# Altium PCB EEar04.PcbDoc (part 1 of 2)
Units mm, origin at the board's own origin, x right, y up, seen from the top; angles counter-clockwise.
Board outline 160 x 100 mm, 2 copper layers (Top Layer, Bottom Layer); 126 components, 103 nets, 694 pads, 350 vias.
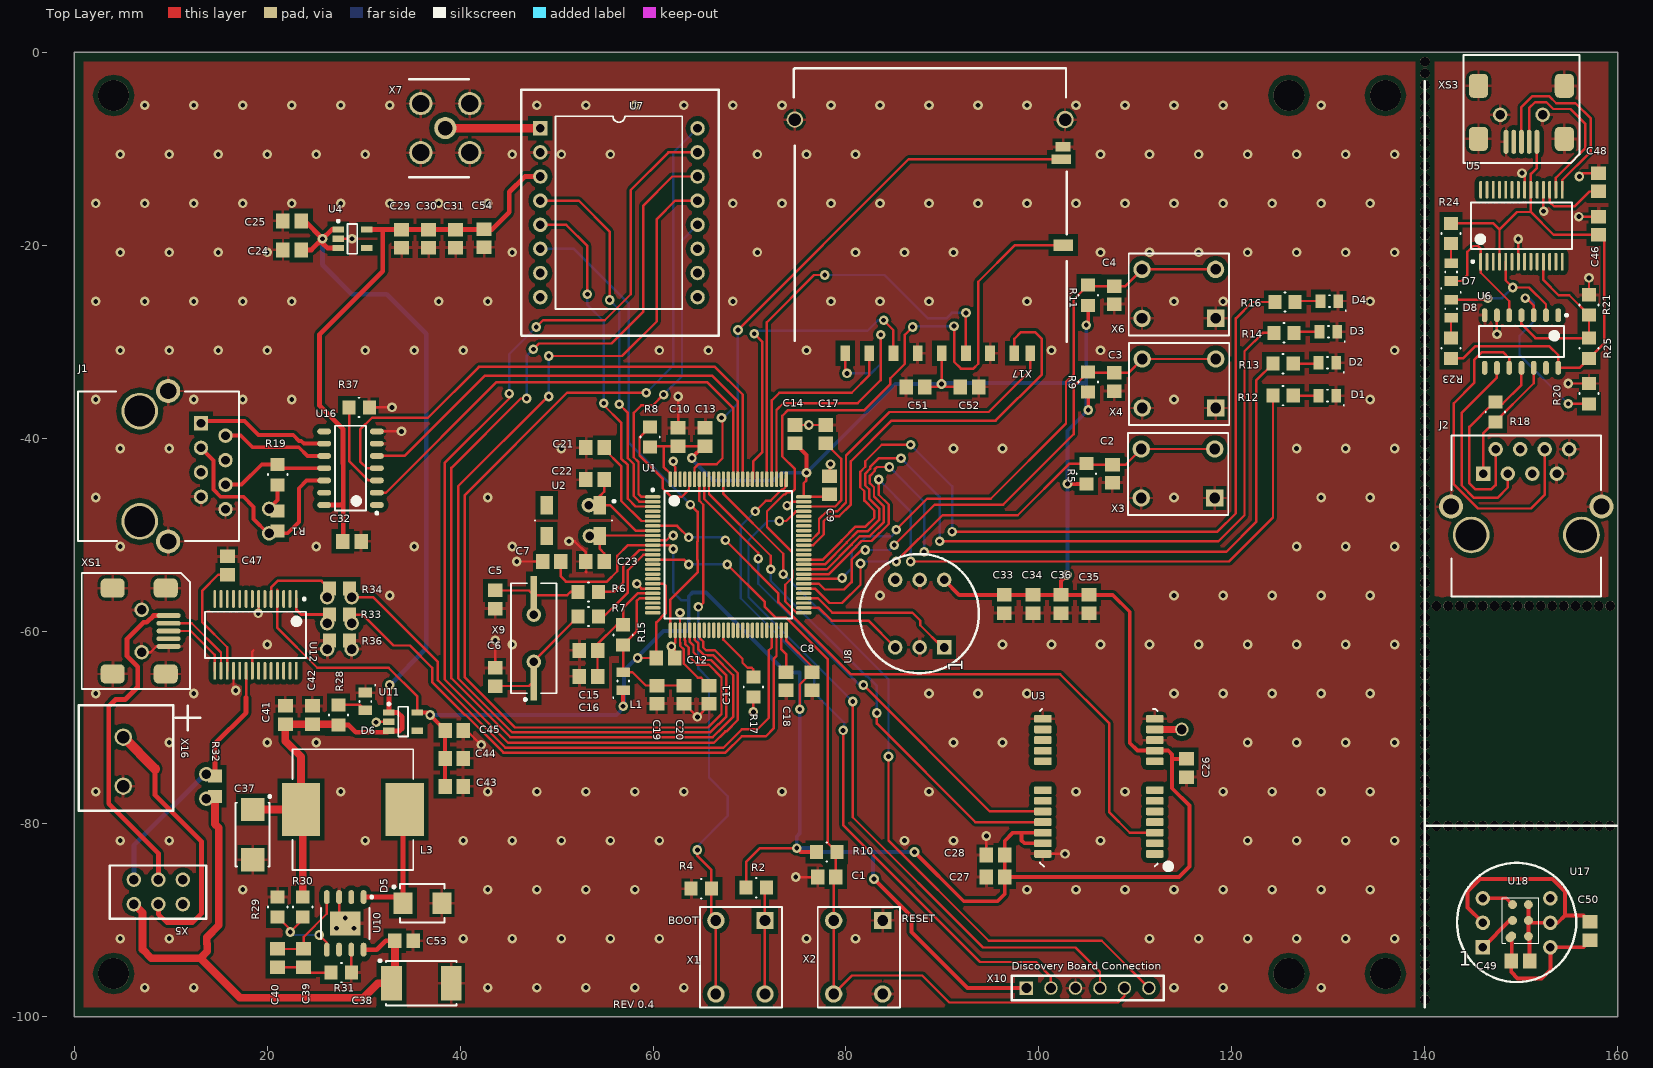
[diagram p0: Top Layer view]
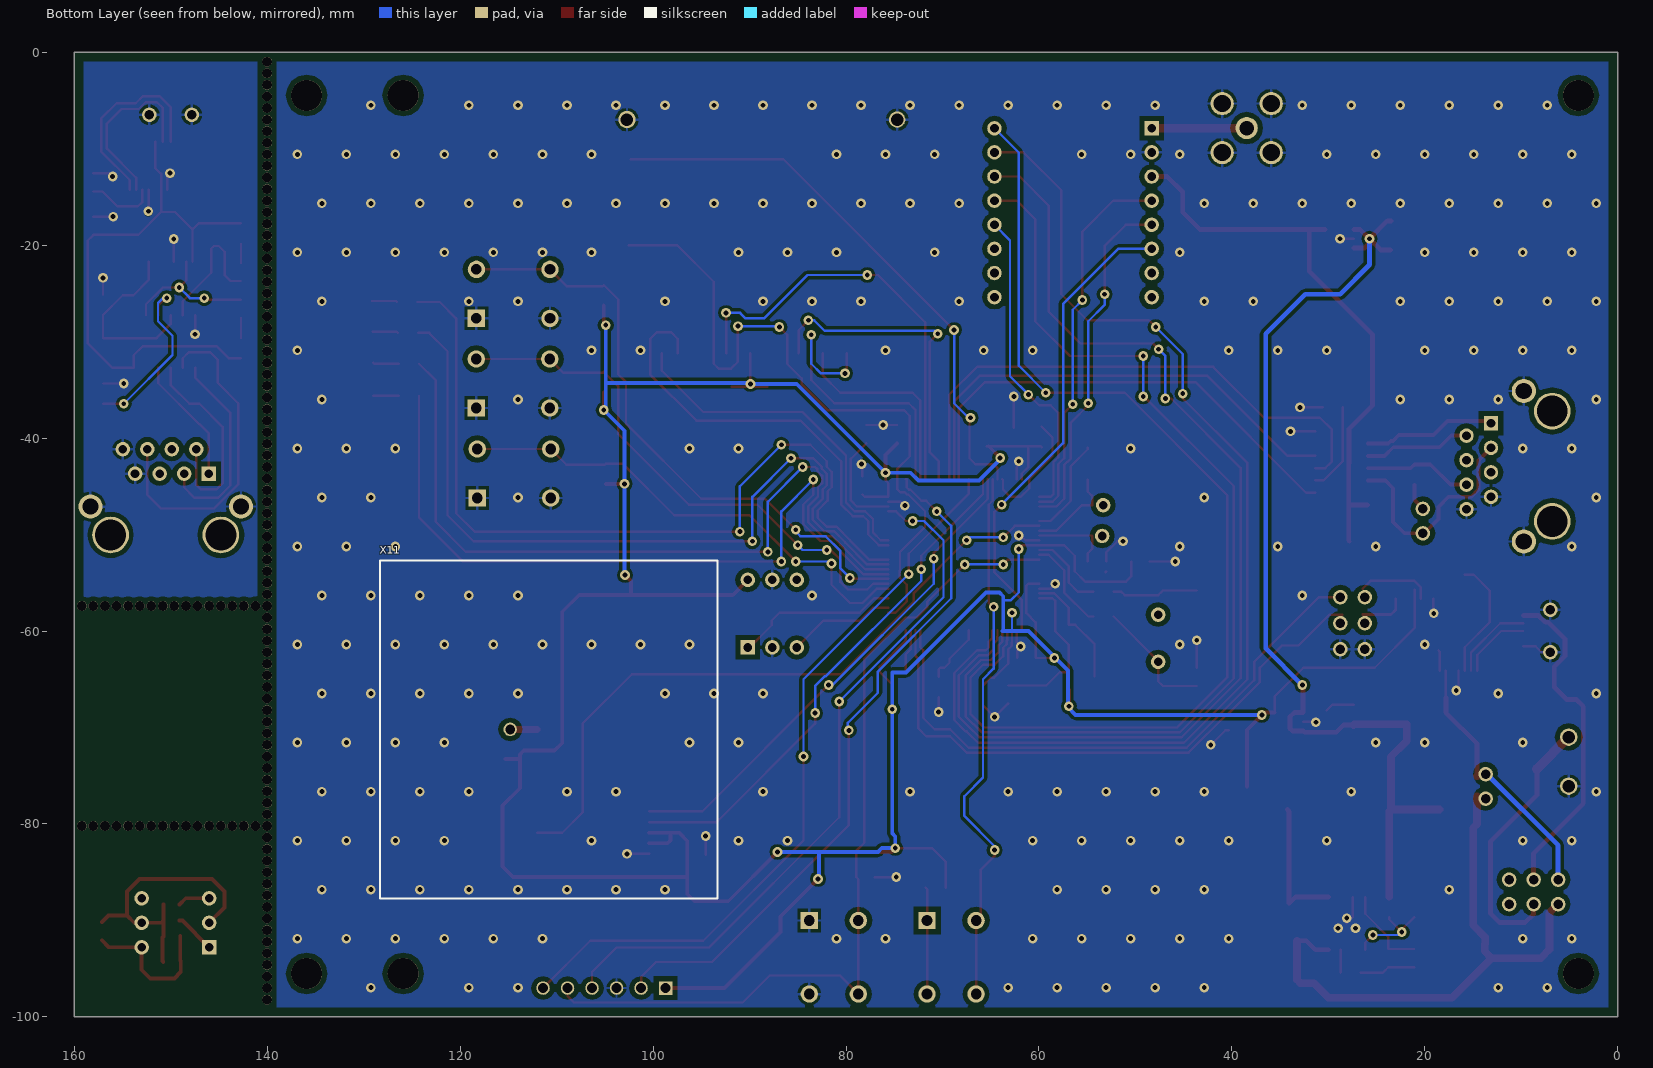
[diagram p1: Bottom Layer view, seen from below]

## Layer stack, top to bottom
Top Solder: solder mask 0.0102, Solder Resist, Dk 3.5
Top Layer: signal copper 0.0356
Dielectric 1: dielectric 0.32, FR-4, Dk 4.8
Bottom Layer: signal copper 0.0356
Bottom Solder: solder mask 0.0102, Solder Resist, Dk 3.5

## Board outline
0,-100 160,-100 160,0 0,0

## Design rules (kind name [scope] priority, off if disabled: settings)
Clearance [All] p1: gap=0.125 except(0.2: Arc-Fill Via-Fill; 0.25: Track-Track; 0.3: Arc-Track Arc-THPad Arc-Poly Track-THPad Track-Via Track-Fill Track-Poly SMDPad-THPad SMDPad-Via SMDPad-Fill THPad-THPad THPad-Via THPad-Fill Via-Via Via-Poly Fill-Fill Fill-Poly Poly-Poly; 0.5: SMDPad-Poly THPad-Poly)
DiffPairsRouting [All] p1: maxlimit=10 minlimit=0.125 mostfreqgap=0.15 toplayer_minwidth=0.381 toplayer_maxwidth=0.381 toplayer_prefwidth=0.381 bottomlayer_minwidth=0.381 bottomlayer_maxwidth=0.381 bottomlayer_prefwidth=0.381 maxuncoupledlength=12.7
FabricationTestPointUsage FabricationTestPointUsage_1 [All] p1: valid=0 allowmultiple=FALSE
FabricationTestpoint FabricationTestpoint_1 [All] p1: side=3 testpointundercomponent=TRUE minsize=1.016 maxsize=2.54 preferedsize=1.524 minholesize=0 maxholesize=1.016 preferedholesize=0.813 testpointgrid=0.025 allowsidetop=TRUE allowsidebottom=TRUE usegrid=TRUE gridtolerance=0
Height [All] p1: minheight=0 maxheight=45 prefheight=12.7
HoleSize [All] p1: absolutevalues=TRUE maxlimit=6 minlimit=0.2 maxpercent=80.000 minpercent=20.000
HoleSize FabricationTestpoint [All] p2 off: absolutevalues=TRUE maxlimit=2.54 minlimit=0.025 maxpercent=80.000 minpercent=20.000
HoleSize FabricationTestPointUsage [All] p3 off: absolutevalues=TRUE maxlimit=2.54 minlimit=0.025 maxpercent=80.000 minpercent=20.000
HoleToHoleClearance [All] p1: gap=0.2 allowstackedmicrovias=TRUE
MinimumAnnularRing [All] p1: minimumring=0.2
MinimumSolderMaskSliver [All] p1: minsoldermaskwidth=0.1
PlaneClearance [All] p1: clearance=0.5
PlaneConnect [All] p1: planeconnectstyle=Relief reliefexpansion=0.4 reliefentries=4 reliefconductorwidth=0.15 reliefairgap=0.15
PolygonConnect PolygonConnect_1 [IsVia] p1: connectstyle=Direct reliefconductorwidth=0.3 reliefentries=4 polygonreliefangle="90 Angle" airgapwidth=0.3
PolygonConnect [All] p2: connectstyle=Relief reliefconductorwidth=0.3 reliefentries=4 polygonreliefangle="90 Angle" airgapwidth=0.3
RoomDefinition lora [InComponentClass('lora')] p1: confinementstyle=ConfineIn formatcopy=TRUE lockcomponents=FALSE outline 141.099,-98.5 232.399,-98.5 232.399,-11.1 141.099,-11.1
RoomDefinition rs485 [InComponentClass('rs485')] p2: confinementstyle=ConfineIn formatcopy=TRUE lockcomponents=FALSE outline 141.099,-98.5 154.899,-98.5 154.899,-86 141.099,-86
RoomDefinition gps [InComponentClass('gps')] p3: confinementstyle=ConfineIn formatcopy=TRUE lockcomponents=FALSE outline -140,-163 -89.2,-163 -89.2,-137.6 -140,-137.6
RoomDefinition sd [InComponentClass('sd')] p4: confinementstyle=ConfineIn formatcopy=TRUE lockcomponents=FALSE outline -140,-163 -89.2,-163 -89.2,-137.6 -140,-137.6
RoomDefinition pwr [InComponentClass('pwr')] p5: confinementstyle=ConfineIn formatcopy=TRUE lockcomponents=FALSE outline -140,-163 -89.2,-163 -89.2,-137.6 -140,-137.6
RoomDefinition mic [InComponentClass('mic')] p6: confinementstyle=ConfineIn formatcopy=TRUE lockcomponents=FALSE outline -140,-163 -89.2,-163 -89.2,-137.6 -140,-137.6
RoomDefinition cpu [InComponentClass('cpu')] p7: confinementstyle=ConfineIn formatcopy=TRUE lockcomponents=FALSE outline -140,-163 -89.2,-163 -89.2,-137.6 -140,-137.6
RoutingCorners [All] p1: cornerstyle=45-Degree minsetback=1.25 maxsetback=1.25
RoutingVias [All] p1: holewidth=0.5 width=1 viastyle="Through Hole" minholewidth=0.5 minwidth=1 maxholewidth=0.5 maxwidth=1
SilkToSilkClearance [All] p1: silktosilkclearance=0
SilkToSolderMaskClearance [IsPad] p1: minsilkscreentomaskgap=0.2 clearancetoexposedcopper=TRUE
SolderMaskExpansion [All] p1: expansion=0.075
Width [All] p1: maxlimit=10 minlimit=0.25 preferedwidth=0.25
18 further rules are at their usual default settings.

## Classes and differential pairs
component class cpu: C1 C2 C3 C4 C5 C6 C7 C8 C9 C10 C11 C12 C13 C14 C15 C16 C17 C18 C19 C20 C21 C22 C23 D1 D2 D3 D4 L1 R2 R4 R5 R6 R7 R8 R9 R10 R11 R12 R13 R14 R15 R16 R17 U1 U2 X1 X2 X3 X4 X6 X9 X10
component class mic: C33 C34 C35 C36 C49 C50 U8 U17 U18
component class pwr: C24 C25 C29 C30 C31 C37 C38 C39 C40 C41 C42 C43 C44 C45 C47 C53 D5 D6 L3 R28 R29 R30 R31 R32 R33 R34 R36 U4 U10 U11 U12 X5 X16 XS1
component class sd: C51 C52 X17
net class SD_DAT[3..0]: SD_DAT0 SD_DAT1 SD_DAT2 SD_DAT3
component class gps: C26 C27 C28 U3 X11
component class rs485: C32 C46 C48 D7 D8 J1 J2 R1 R18 R19 R20 R21 R23 R24 R25 R37 U5 U6 U16 XS3
component class lora: C54 U7 X7

## Components (designator, comment, footprint, x,y, rotation, side; value= is the part's Value field where it differs from the comment)
C1 "0.1uF" CAPC2012X09M 78,-85.5 r180 top
C2 "0.1uF" CAPC2012X09M 107.6,-43.7 r270 top
C3 "0.1uF" CAPC2012X09M 107.8,-34.2 r270 top
C4 "0.1uF" CAPC2012X09M 107.8,-25.2 r270 top
C5 "18pF" CAPC2012X09M 43.65,-56.75 r270 top
C6 "18pF" CAPC2012X09M 43.65,-64.75 r90 top
C7 "0.1uF" CAPC2012X09M 49.5,-52.8 r180 top
C8 "0.1uF" CAPC2012X09M 76.5,-65.2 r270 top
C9 "0.1uF" CAPC2012X09M 78.3,-44.9 r90 top
C10 "0.1uF" CAPC2012X09M 62.6,-39.9 r90 top
C11 "0.1uF" CAPC2012X09M 65.8,-66.6 r270 top
C12 "0.1uF" CAPC2012X09M 61.3,-62.8 r0 top
C13 "0.1uF" CAPC2012X09M 65.4,-39.9 r90 top
C14 "0.1uF" CAPC2012X09M 74.7,-39.6 r90 top
C15 "1uF" CAPC2012X09M 53.3,-64.7 r180 top
C16 "0.1uF" CAPC2012X09M 53.3,-62 r180 top
C17 "2.2uF" CAPC2012X09M 77.9,-39.6 r90 top
C18 "2.2uF" CAPC2012X09M 73.8,-65.2 r270 top
C19 "1uF" CAPC2012X09M 60.4,-66.6 r90 top
C20 "0.1uF" CAPC2012X09M 63.2,-66.6 r90 top
C21 "1uF" CAPC2012X09M 54,-41 r180 top
C22 "6.8PF" CAPC2012X09M 54,-44.3 r180 top
C23 "6.8PF" CAPC2012X09M 54,-52.8 r180 top
C24 "10uF" CAPC2012X09M 22.6,-20.5 r180 top
C25 "10uF" CAPC2012X09M 22.575,-17.5 r180 top
C26 "0.1uF" CAPC2012X09M 115.3,-74.2 r270 top
C27 "0.1uF" CAPC2012X09M 95.5,-85.5 r180 top
C28 "10uF" CAPC2012X09M 95.5,-83.2 r180 top
C29 "10uF" CAPC2012X09M 33.95,-19.35 r270 top
C30 "0.1uF" CAPC2012X09M 36.75,-19.35 r270 top
C31 "1uF" CAPC2012X09M 39.55,-19.35 r270 top
C32 "1uF" CAPC2012X09M 28.8,-50.7 r0 top
C33 "0.1uF" CAPC2012X09M 96.4,-57.2 r270 top
C34 "0.1uF" CAPC2012X09M 99.4,-57.2 r270 top
C35 "10uF" CAPC2012X09M 105.2,-57.2 r270 top
C36 "10uF" CAPC2012X09M 102.3,-57.2 r270 top
C37 "100UF 6.3V" CAPMP6133X31N 18.5,-81.1 r270 top
C38 "22uF" CAPMP7143X31N 36,-96.5 r0 top
C39 "22nF" CAPC2012X09M 23.8,-93.9 r270 top
C40 "220pF" CAPC2012X09M 21.1,-93.9 r270 top
C41 "10uF" CAPC2012X09M 21.9,-68.7 r90 top
C42 "10uF" CAPC2012X09M 24.7,-68.7 r90 top
C43 "10uF" CAPC2012X09M 39.4,-76.1 r0 top
C44 "0.1uF" CAPC2012X09M 39.4,-73.2 r0 top
C45 "1uF" CAPC2012X09M 39.4,-70.3 r0 top
C46 "1uF" CAPC2012X09M 158,-18 r90 top
C47 "1uF" CAPC2012X09M 15.9,-53.2 r90 top
C48 "1uF" CAPC2012X09M 158,-13.5 r90 top
C49 "10uF" CAPC2012X09M 149.9,-94.2 r0 top
C50 "0.1uF" CAPC2012X09M 157.1,-91.1 r90 top
C51 "0.1uF" CAPC2012X09M 87.2,-34.7 r180 top
C52 "0.1uF" CAPC2012X09M 92.8,-34.7 r0 top
C53 "0.1uF" CAPC2012X09M 34.2,-92.1 r0 top
C54 "0.1uF" CAPC2012X09M 42.5,-19.3 r270 top
D1 "GREEN" DIOC2012X11N 129.9,-35.6 r180 top
D2 "YELLOW" DIOC2012X11N 129.9,-32.2 r180 top
D3 "BLUE" DIOC2012X11N 130,-29 r180 top
D4 "RED" DIOC2012X11N 130.1,-25.8 r180 top
D5 "STPS340U" SODFL535X265-2N 36.1,-88.2 r0 top
D6 "GREEN" DIOC2012X11N 30.2,-67.3 r270 top
D7 "GREEN" DIOC2012X11N 142.7,-22.8 r90 top
D8 "RED" DIOC2012X11N 142.7,-26.6 r270 top
J1 "RJ-45" RJ-45_PCB 11.25,-42.925 r270 top
J2 "RJ-45_1" RJ-45_PCB 150.5,-45.6 r0 top
L1 "BLM21RK102SN1D" DIOC2012X11N 56.9,-65.2 r90 top
L3 "CDRH125NP-150MC" INDP123123X40N_SUMIDA 28.9,-78.5 r180 top
R1 "JUMPER" RESC2013X06M_CMEASURE 21.1,-48.6 r270 top
R2 "510R" RESC2013X06M 70.7,-86.6 r0 top
R4 "4.7K" RESC2013X06M 65,-86.7 r0 top
R5 "1K" RESC2013X06M 104.9,-43.7 r90 top
R6 "0" RESC2013X06M 53.3,-55.95 r180 top
R7 "33R" RESC2013X06M 53.3,-58.5 r180 top
R8 "4.7K" RESC2013X06M 59.7,-39.9 r270 top
R9 "1K" RESC2013X06M 105.1,-34.2 r90 top
R10 "10K" RESC2013X06M 78,-82.9 r0 top
R11 "1K" RESC2013X06M 105.1,-25.2 r90 top
R12 "1K" RESC2013X06M 125.3,-35.6 r0 top
R13 "1K" RESC2013X06M 125.3,-32.3 r0 top
R14 "1K" RESC2013X06M 125.4,-29.1 r0 top
R15 "10R" RESC2013X06M 56.9,-60.4 r90 top
R16 "1K" RESC2013X06M 125.5,-25.9 r0 top
R17 "510R" RESC2013X06M 70.4,-65.8 r90 top
R18 "100R" RESC2013X06M 147.3,-37.3 r90 top
R19 "100R" RESC2013X06M 21.1,-43.8 r90 top
R20 "10K" RESC2013X06M 157,-35.4 r270 top
R21 "10K" RESC2013X06M 157,-26.2 r270 top
R23 "1K" RESC2013X06M 142.7,-30.7 r270 top
R24 "1K" RESC2013X06M 142.7,-18.8 r90 top
R25 "10K" RESC2013X06M 157,-30.7 r90 top
R28 "1K" RESC2013X06M 27.4,-68.7 r270 top
R29 "18K" RESC2013X06M 21.1,-88.6 r90 top
R30 "47K" RESC2013X06M 23.7,-88.6 r270 top
R31 "4.7K" RESC2013X06M 27.7,-95.4 r0 top
R32 "JUMPER" RESC2013X06M_CMEASURE 14.6,-76.1 r270 top
R33 "JUMPER" RESC2013X06M_CMEASURE 27.5,-58.3 r0 top
R34 "JUMPER" RESC2013X06M_CMEASURE 27.5,-55.6 r0 top
R36 "JUMPER" RESC2013X06M_CMEASURE 27.5,-61 r0 top
R37 "10K" RESC2013X06M 29.55,-36.825 r180 top
U1 "STM32F407VGT6" TSQFP50P1600X1600X160-100M 67.8,-52.1 r0 top
U2 "32.768KHZ" SOJ550P380X254-4M 51.75,-48.55 r270 top
U3 "SL869V2" SL869V2_FOOT 106.2,-76.1 r180 top locked
U4 "TLV70233DBVT" SOT95P280X145-5M 28.85,-19.35 r0 top
U5 "CY7C65213" SOP65P780X200-28M 150,-18 r90 top
U6 "ADM3070E" SOIC127P600X175-14N 150,-30 r270 top
U7 "LORA_England" DIP16 48.325,-7.9 r0 top
U8 "STEVAL-MKI129V1-MOUNT-MAMA" STEVAL-MKI129V1 85.1,-61.7 r90 top
U10 "L5973D013TR" SOIC127P600X175_HS-9N 28.1,-90.3 r270 top locked
U11 "TLV70233DBVT" SOT95P280X145-5M 34.1,-69.4 r0 top
U12 "CY7C65213" SOP65P780X200-28M 18.8,-60.4 r270 top
U16 "ADM3070E" SOIC127P600X175-14N 28.65,-43.125 r180 top
U17 "STEVAL-MKI129V1-MOUNT-PAPA" STEVAL-MKI129V1 146,-87.7 r0 top
U18 "SPM1437HM4H-B" LGA6C165P2X3_376X472X125 149.9,-90 r180 top
X1 "PUSH BTN" PUSHBTN 71.6,-90 r180 top
X2 "PUSH BTN" PUSHBTN 83.8,-90 r180 top
X3 "PUSH BTN" PUSHBTN 118.217,-46.218 r90 top
X4 "PUSH BTN" PUSHBTN 118.317,-36.893 r90 top
X5 "SWITCH" SWITCH 6.2,-88.3 r0 top
X6 "PUSH BTN" PUSHBTN 118.3,-27.6 r90 top
X7 "SMA6252A2-3GT50G-50" SMA6252A2-3GT50G-50 38.475,-7.875 r180 top locked
X9 "25.000Mhz" SODFL1270X420-2L 47.65,-60.75 r90 top
X10 "PLS6" PLS6 98.7,-97 r0 top
X11 "PATCH_ANTENNA" PATCH_ANTENNA 114.8,-70.2 r90 bottom locked
X16 "POWER_TERM" PH5 5.1,-71 r270 top
X17 "104H-TDA0-R01" 104H-TDA0-R01 89.3,-31.2 r180 top locked
XS1 "16M2764" USB_MINI_16M2764 9.5,-60 r270 top
XS3 "16M2764" USB_MINI_16M2764 150,-9 r180 top

## Footprints (in the part's own frame and the unit in brackets; to place one, negate y for a bottom-side part, rotate by r counter-clockwise, add the part's x,y. Pads: shape width x height; smd on the part's side, far side on the other; paste and mask are expansions set on the pad)
104H-TDA0-R01 [mm] "SD card connector"
  rect 1x1.6 smd: 1(6.88,0) 2(4.38,0) 3(1.88,0) 4(-0.63,0) 5(-3.13,0) 6(-5.63,0) 7(-8.13,0) 8(-9.78,0) 9(9.38,0)
  rect 2x1.2 smd: 10(-13.2,-11.2)
  rect 2x1 smd: 11(-13,-20.1)
  rect 1.55x1 smd: 12(-13.2,-21.4)
  round 1.8 hole 1.3: 13(-13.4,-24.2)
  round 1.7 hole 1.3: 14(14.6,-24.2)
  silkscreen extent -13.6,-29.5 14.7,-1.2, body extent -13.48,-29.5 14.68,0.31, height 2.7
CAPC2012X09M [mm] "Chip Capacitor, 2-Leads, Body 2,01x1,25mm, IPC Low Density"
  rect 1.4x1.55 smd: 1(-0.95,0) 2(0.95,0)
  body extent -1.1,-0.72 1.11,0.72, height 0.94
CAPMP6133X31N [mm] "CASE C Molded Capacitor, 2-Leads, Body 6.15x3.30mm, IPC Medium Density"
  rect 2.4x2.45 smd: 1(-2.6,0) 2(2.6,0)
  silkscreen extent -4.07,-1.75 3.3,1.9, body extent -3.3,-1.75 3.3,1.75, height 3.1
CAPMP7143X31N [mm] "CASE D Molded Capacitor, 2-Leads, Body 7.15x4.30mm, IPC Medium Density"
  rect 2.15x3.55 smd: 1(-3.1,0) 2(3.1,0)
  silkscreen extent -4.42,-2.3 3.65,2.45, body extent -3.65,-2.3 3.65,2.3, height 3.1
DIOC2012X11N [mm] "Chip Diode, 2-Leads, Body 2.00x1.25mm, IPC Medium Density"
  rect 1x1.4 smd: 1(-0.925,0) 2(0.925,0)
  silkscreen extent -1.75,-0.6 0.05,1.05, body extent -1,-0.63 1,0.63, height 1.1
DIP16 [mm]
  rect 1.5x1.5 hole 0.9: 1(0,0)
  round 1.5 hole 0.9: 2(0,-2.5) 3(0,-5) 4(0,-7.5) 5(0,-10) 6(0,-12.5) 7(0,-15) 8(0,-17.5) 9(16.29,-17.5) 10(16.29,-15) 11(16.29,-12.5) 12(16.29,-10) 13(16.29,-7.5) 14(16.29,-5) 15(16.29,-2.5) 16(16.29,0)
  silkscreen extent -2,-21.5 18.5,4
INDP123123X40N_SUMIDA [mm] "Precision Wire Wound Inductor, 2-Leads, Body 12.35x12.35mm, IPC Medium Density"
  rect 3.95x5.5 smd: 1(-5.375,0) 2(5.375,0)
  silkscreen extent -6.25,-6.25 6.25,6.25, body extent -6.25,-6.25 6.25,6.25, height 4
LGA6C165P2X3_376X472X125 [mm] "LGA, 6-Leads, Body 3,76x4,72mmx1,25mm, Pitch 1,65mm"
  round 0.91 smd: 1(-0.825,1.65) 2(-0.825,0) 3(-0.825,-1.65) 4(0.825,-1.65) 5(0.825,0) 6(0.9,1.6) 6(1.1,1.8)
  silkscreen extent -1.88,-2.37 1.88,2.37, body extent -1.91,-2.38 1.91,2.38, height 1.25
PATCH_ANTENNA [mm] "1 pin"
  round 1.4 hole 1: 1(0,0)
  silkscreen extent -17.5,-21.5 17.5,13.5, body extent -12.5,-15 12.5,10, height 4.7
PH5 [mm] "Phoenix Contact 5.08mm"
  round 1.8 hole 1.3: 1(0,0) 2(5.08,0)
  silkscreen extent -3.3,-4.6 7.62,7.96, body extent -3.25,-4.6 7.65,5.2, height 14.2
PLS6 [mm] "2.54 mm Jumper Header"
  rect 1.4x1.4 hole 1: 1(0,0)
  round 1.4 hole 1: 2(2.54,0) 3(5.08,0) 4(7.62,0) 5(10.16,0) 6(12.7,0)
  silkscreen extent -1.5,-1.27 14.25,1.27
PUSHBTN [mm]
  rect 1.8x1.8 hole 1.1: 1(0,0)
  round 1.8 hole 1.1: 2(5.08,0) 3(0,7.62) 4(5.08,7.62)
  silkscreen extent -1.78,-1.4 6.73,9
RESC2013X06M [mm] "Chip Resistor, 2-Leads, Body 2,03x1,27mm, IPC Low Density"
  rect 1.35x1.45 smd: 1(-1.05,0) 2(1.05,0)
  silkscreen extent -0.05,-1 0.05,1, body extent -1.14,-0.64 1.14,0.64, height 0.59
RESC2013X06M_CMEASURE [mm] "Chip Resistor, 2-Leads, Body 2,03x1,27mm, IPC Low Density"
  round 1.5 hole 1: 1(-1.27,-0.889) 2(1.27,-0.889)
  rect 1.35x1.45 smd: 1(-1.05,0) 2(1.05,0)
  body extent -1.14,-0.64 1.14,0.64, height 0.59
RJ-45_PCB [mm]
  rect 1.5x1.5 hole 0.9: 1(-4.445,1.905)
  round 1.5 hole 0.9: 2(-3.175,4.445) 3(-1.905,1.905) 4(-0.635,4.445) 5(0.635,1.905) 6(1.905,4.445) 7(3.175,1.905) 8(4.445,4.445)
  round 2.5 hole 1.7: MH1(-7.8,-1.5) MH2(7.8,-1.5)
  round 3.8 hole 3.2: MH3(-5.715,-4.445) MH4(5.715,-4.445)
  silkscreen extent -7.75,-10.85 7.75,5.86
SL869V2_FOOT [mm] "SOIC, 14-Leads, Body 8,65x3,90mm, Pitch 1,27mm, IPC Medium Density"
  rrect25% 1.8x0.8 smd: 1(-5.8,7) 2(-5.8,5.9) 3(-5.8,4.8) 4(-5.8,3.7) 5(-5.8,2.6) 6(-5.8,1.5) 7(-5.8,0.4) 8(-5.8,-2.6) 9(-5.8,-3.7) 10(-5.8,-4.8) 11(-5.8,-5.9) 12(-5.8,-7) 13(5.8,-7) 14(5.8,-5.9) 15(5.8,-4.8) 16(5.8,-3.7) 17(5.8,-2.6) 18(5.8,0.4) 19(5.8,1.5) 20(5.8,2.6) 21(5.8,3.7) 22(5.8,4.8) 23(5.8,5.9) 24(5.8,7)
  silkscreen extent -7.3,-8 6.1,8.4, body extent -6.1,-8 6.1,8
SMA6252A2-3GT50G-50 [mm] "SMA6252A2-3GT50G-50"
  round 2.4 hole 1.8: 1(-2.54,2.54) 2(-2.54,-2.54) 3(2.54,-2.54) 4(2.54,2.54)
  round 2.3 hole 1.5: 5(0,0)
  silkscreen extent -2.42,-5.08 3.75,5.08, body extent -3.5,-6.25 34.4,78.31, height 32.95
SODFL535X265-2N [mm] "SODFL, 2-Leads, Body 3.63x5.35mm, IPC Medium Density"
  rect 1.95x2.25 smd: 1(-2.025,0) 2(2.025,0)
  silkscreen extent -3.07,-2 2.3,2, body extent -2.3,-1.97 2.3,1.97, height 2.65
SODFL1270X420-2L [mm] "SODFL, 2-Leads, Body 4,70x12,70mm, IPC High Density"
  rect 4x0.65 smd: 1(-4.45,0) 2(4.45,0)
  round 1.5 hole 0.9: 1(-2.45,0) 2(2.45,0)
  silkscreen extent -6.47,-2.35 5.7,2.35, body extent -6.35,-2.35 6.35,2.35, height 4.2
SOIC127P600X175-14N [mm] "SOIC, 14-Leads, Body 8,65x3,90mm, Pitch 1,27mm, IPC Medium Density"
  oval 1.45x0.6 smd: 1(-2.725,3.81) 2(-2.725,2.54) 3(-2.725,1.27) 4(-2.725,0) 5(-2.725,-1.27) 6(-2.725,-2.54) 7(-2.725,-3.81) 8(2.725,-3.81) 9(2.725,-2.54) 10(2.725,-1.27) 11(2.725,0) 12(2.725,1.27) 13(2.725,2.54) 14(2.725,3.81)
  silkscreen extent -2.85,-4.4 1.6,4.79, body extent -3,-4.4 3,4.4, height 1.75
SOIC127P600X175_HS-9N [mm] "SOIC, 8-Leads, Body 4.90x3.90mm, Pitch 1.27mm, Thermal Pad 3.20x2.51mm, IPC Medium Density"
  oval 1.45x0.6 smd: 1(-2.725,1.905) 2(-2.725,0.635) 3(-2.725,-0.635) 4(-2.725,-1.905) 5(2.725,-1.905) 6(2.725,-0.635) 7(2.725,0.635) 8(2.725,1.905)
  rect 2.51x3.2 smd: 9(0,0)
  silkscreen extent -2.85,-2.5 1.6,2.88, body extent -2,-2.5 2,2.5, height 1.75
SOJ550P380X254-4M [mm] "SOJ, 4-Leads, Body 8,00x3,80mm, Pitch 5,50mm, IPC Low Density"
  rect 1.9x1.3 smd: 1(-1.6,2.75) 2(-1.6,-2.75) 3(1.6,-2.75) 4(1.6,2.75)
  round 1.5 hole 0.9: 1(-1.6,1.6) 4(1.6,1.7)
  silkscreen extent -2.12,-4 0.03,4.33, body extent -2.1,-4 2.1,4, height 2.54
SOP65P780X200-28M [mm] "SOP, 28-Leads, Body 10,30x5,30mm, Pitch 0,65mm, IPC Low Density"
  oval 1.85x0.3 smd: 1(-3.725,4.225) 2(-3.725,3.575) 3(-3.725,2.925) 4(-3.725,2.275) 5(-3.725,1.625) 6(-3.725,0.975) 7(-3.725,0.325) 8(-3.725,-0.325) 9(-3.725,-0.975) 10(-3.725,-1.625) 11(-3.725,-2.275) 12(-3.725,-2.925) 13(-3.725,-3.575) 14(-3.725,-4.225) 15(3.725,-4.225) 16(3.725,-3.575) 17(3.725,-2.925) 18(3.725,-2.275) 19(3.725,-1.625) 20(3.725,-0.975) 21(3.725,-0.325) 22(3.725,0.325) 23(3.725,0.975) 24(3.725,1.625) 25(3.725,2.275) 26(3.725,2.925) 27(3.725,3.575) 28(3.725,4.225)
  silkscreen extent -3.85,-5.25 2.4,5.25, body extent -3.9,-5.25 3.9,5.25, height 2
SOT95P280X145-5M [mm] "SOT23, 5-Leads, Body 2,90x2,80mm, Pitch 0,95mm, IPC Low Density"
  rect 1.2x0.65 smd: 1(-1.475,0.95) 2(-1.475,0) 3(-1.475,-0.95) 4(1.475,-0.95) 5(1.475,0.95)
  silkscreen extent -1.6,-1.55 0.5,1.95, body extent -0.88,-1.52 0.87,1.53, height 1.45
STEVAL-MKI129V1 [mm] "Microphone Board"
  rect 1.5x1.5 hole 0.9: 1(0,-5.08)
  round 1.5 hole 0.9: 2(0,-2.54) 3(0,0) 4(7,0) 5(7,-2.54) 6(7,-5.08)
  silkscreen extent -2.67,-8.68 9.67,3.68
SWITCH [mm]
  round 1.5 hole 1: 1(0,0) 2(2.54,0) 3(5.08,0) 4(0,2.54) 5(2.54,2.54) 6(5.08,2.54)
  silkscreen extent -2.5,-1.5 7.5,4
TSQFP50P1600X1600X160-100M [mm] "TSQFP, 100-Leads, Body 14.00x14.00mm, Pitch 0.50mm, IPC Low Density"
  oval 1.65x0.35 smd: 1(-7.825,6) 2(-7.825,5.5) 3(-7.825,5) 4(-7.825,4.5) 5(-7.825,4) 6(-7.825,3.5) 7(-7.825,3) 8(-7.825,2.5) 9(-7.825,2) 10(-7.825,1.5) 11(-7.825,1) 12(-7.825,0.5) 13(-7.825,0) 14(-7.825,-0.5) 15(-7.825,-1) 16(-7.825,-1.5) 17(-7.825,-2) 18(-7.825,-2.5) 19(-7.825,-3) 20(-7.825,-3.5) 21(-7.825,-4) 22(-7.825,-4.5) 23(-7.825,-5) 24(-7.825,-5.5) 25(-7.825,-6) 51(7.825,-6) 52(7.825,-5.5) 53(7.825,-5) 54(7.825,-4.5) 55(7.825,-4) 56(7.825,-3.5) 57(7.825,-3) 58(7.825,-2.5) 59(7.825,-2) 60(7.825,-1.5) 61(7.825,-1) 62(7.825,-0.5) 63(7.825,0) 64(7.825,0.5) 65(7.825,1) 66(7.825,1.5) 67(7.825,2) 68(7.825,2.5) 69(7.825,3) 70(7.825,3.5) 71(7.825,4) 72(7.825,4.5) 73(7.825,5) 74(7.825,5.5) 75(7.825,6)
  oval 0.35x1.65 smd: 26(-6,-7.825) 27(-5.5,-7.825) 28(-5,-7.825) 29(-4.5,-7.825) 30(-4,-7.825) 31(-3.5,-7.825) 32(-3,-7.825) 33(-2.5,-7.825) 34(-2,-7.825) 35(-1.5,-7.825) 36(-1,-7.825) 37(-0.5,-7.825) 38(0,-7.825) 39(0.5,-7.825) 40(1,-7.825) 41(1.5,-7.825) 42(2,-7.825) 43(2.5,-7.825) 44(3,-7.825) 45(3.5,-7.825) 46(4,-7.825) 47(4.5,-7.825) 48(5,-7.825) 49(5.5,-7.825) 50(6,-7.825) 76(6,7.825) 77(5.5,7.825) 78(5,7.825) 79(4.5,7.825) 80(4,7.825) 81(3.5,7.825) 82(3,7.825) 83(2.5,7.825) 84(2,7.825) 85(1.5,7.825) 86(1,7.825) 87(0.5,7.825) 88(0,7.825) 89(-0.5,7.825) 90(-1,7.825) 91(-1.5,7.825) 92(-2,7.825) 93(-2.5,7.825) 94(-3,7.825) 95(-3.5,7.825) 96(-4,7.825) 97(-4.5,7.825) 98(-5,7.825) 99(-5.5,7.825) 100(-6,7.825)
  silkscreen extent -7.95,-6.6 6.6,6.85, body extent -7,-7 7,7, height 1.6
USB_MINI_16M2764 [mm] "USB-06_1800"
  oval 0.5x2.5 smd: 1(-1.6,0.3) 2(-0.8,0.3) 3(0,0.3) 4(0.8,0.3) 5(1.6,0.3)
  rrect50% 2x2.5 smd: 6(-4.45,0) 7(4.45,0) 8(-4.45,-5.5) 9(4.45,-5.5)
  round 1.5 hole 1: 10(-2.2,-2.5) 11(2.2,-2.5)
  silkscreen extent -6,-8.7 6,2.5, body extent -4.95,-8.4 4.95,0.8, height 4.14

## Part data
C1 C2 C3 C4 C7 C8 C9 C10 C11 C12 C13 C14 C16 C20 C26 C27 C30 C33 C34 C44 C50 C51 C52 C53 C54: library part CAP_SMD_0.1UF_10%, "CAP CER 0.1UF 25V 10% X7R 0805"
C5 C6: library part CAP_SMD_18PF_5%, "CAP CER 27PF 200V 5% NP0 0805"
C15 C19 C21 C31 C32 C45 C46 C47 C48: library part CAP_SMD_1uF_10%, "MLCC; 1uF; 25V; X7R; ±10%; SMD; 0805;"
C17 C18: library part CAP_SMD_2.2uF_10%, "CAP CER 2.2UF 16V 10% X5R 0805"
C22 C23: library part CAP_SMD_6.8PF_5%, "CAP MLCC 6.8PF 50V 5% NP0 0805"
C24 C25 C28 C29 C35 C36 C41 C42 C43 C49: library part CAP_SMD_10UF_20%, "CAP CER 10UF 16V 20% X5R 0805"
C37: library part CAP_SMD_100UF_10%, "CAP 100uF; 6.3V; Case: C; ESR:150mOhm"
C38: library part CAP_SMD_22UF_10%, "CAP SMD 35volts 22uF 10% ESR=300mOhms"
C39: library part CAP_SMD_22nF_10%, "CAP 22NF 50V 10% X7R 0805"
C40: library part CAP_SMD_220pF_10%, "CAP 220PF 50V 10%  0805"
D1 D6 D7: library part LED_GREEN
D2: library part LED_YELLOW
D3: library part LED_BLUE
D4 D8: library part LED_RED
D5: "DIODE, ZENER, 20V, 3W"
J1: "Jack Modular Connector 8p8c (RJ45, Ethernet) Vertical Unshielded Cat3"
J2: "Jack Modular Connector 8p8c (RJ45, Ethernet) 90° Angle (Right) Unshielded Cat3"
L3: library part IND_15uH_3.3A
R1 R32 R33 R34 R36: library part RES_SMD_0_CURRENT, "RES 0.0 OHM 1/8W JUMP 0805 SMD"
R2 R17: library part RES_SMD_510_5%, "RES - 510 OHM, 5%, 1/8W, 0805 SMD"
R4 R8 R31: library part RES_SMD_4.7K_1%, "RES 4.7K OHM 1/8W 1% 0805 SMD"
R5 R9 R11 R12 R13 R14 R16 R23 R24 R28: library part RES_SMD_1K_5%, "RES - 1K OHM, 5%, 1/8W, 0805 SMD"
R6: library part RES_SMD_0, "RES 0.0 OHM 1/8W JUMP 0805 SMD"
R7: library part RES_SMD_33R_5%, "RES - 33 OHM, 5%, 1/8W, 0805 SMD"
R10 R20 R21 R25 R37: library part RES_SMD_10K_5%, "RES 10K OHM 1/8W 5% 0805 SMD"
R15: library part RES_SMD_10R_5%, "RES 10 OHM 1/8W 1% 0805 SMD"
R18 R19: library part RES_SMD_100R_1%, "RES - 100 OHM, 1%, 1/8W, 0805 SMD"
R29: library part RES_SMD_18K_1%, "RES 18K OHM 1/8W 1% 0805 SMD"
R30: library part RES_SMD_47K_1%, "RES 47K OHM 1/8W 1% 0805"
U2: library part MC-306
U7: library part LORA_MODULE_E
U10: "IC REG BUCK ADJ 2.5A SOIC8"
X1 X2 X3 X4 X6: library part SW1
X7: library part SMA_CONN
X9: library part OSC25M
XS1 XS3: library part USB_MINI_16M2764

## Free pads (board coordinates)
  round 3.2 hole 3.2: 1(4.1,-95.5) 1(4.1,-4.5) 1(125.9,-95.5) 1(125.9,-4.5) 1(135.9,-95.5) 1(135.9,-4.5)
  round 1 hole 1 paste+0: 2(140,-98.2) 2(140,-97) 2(140,-95.8) 2(140,-94.6) 2(140,-93.4) 2(140,-92.2) 2(140,-91) 2(140,-89.8) 2(140,-88.6) 2(140,-87.4) 2(140,-86.2) 2(140,-85) 2(140,-83.8) 2(140,-82.6) 2(140,-81.4) 2(140,-80.2) 2(140,-79) 2(140,-77.8) 2(140,-76.6) 2(140,-75.4) 2(140,-74.2) 2(140,-73) 2(140,-71.8) 2(140,-70.6) 2(140,-69.4) 2(140,-68.2) 2(140,-67) 2(140,-65.8) 2(140,-64.6) 2(140,-63.4) 2(140,-62.2) 2(140,-61) 2(140,-59.8) 2(140,-58.6) 2(140,-57.4) 2(140,-56.2) 2(140,-55) 2(140,-53.8) 2(140,-52.6) 2(140,-51.4) 2(140,-50.2) 2(140,-49) 2(140,-47.8) 2(140,-46.6) 2(140,-45.4) 2(140,-44.2) 2(140,-43) 2(140,-41.8) 2(140,-40.6) 2(140,-39.4) 2(140,-38.2) 2(140,-37) 2(140,-35.8) 2(140,-34.6) 2(140,-33.4) 2(140,-32.2) 2(140,-31) 2(140,-29.8) 2(140,-28.6) 2(140,-27.4) 2(140,-26.2) 2(140,-25) 2(140,-23.8) 2(140,-22.6) 2(140,-21.4) 2(140,-20.2) 2(140,-19) 2(140,-17.8) 2(140,-16.6) 2(140,-15.4) 2(140,-14.2) 2(140,-13) 2(140,-11.8) 2(140,-10.6) 2(140,-9.4) 2(140,-8.2) 2(140,-7) 2(140,-5.8) 2(140,-4.6) 2(140,-3.4) 2(140,-2.2) 2(140,-1) 2(141.2,-80.2) 2(141.2,-57.4) 2(142.4,-80.2) 2(142.4,-57.4) 2(143.6,-80.2) 2(143.6,-57.4) 2(144.8,-80.2) 2(144.8,-57.4) 2(146,-80.2) 2(146,-57.4) 2(147.2,-80.2) 2(147.2,-57.4) 2(148.4,-80.2) 2(148.4,-57.4) 2(149.6,-80.2) 2(149.6,-57.4) 2(150.8,-80.2) 2(150.8,-57.4) 2(152,-80.2) 2(152,-57.4) 2(153.2,-80.2) 2(153.2,-57.4) 2(154.4,-80.2) 2(154.4,-57.4) 2(155.6,-80.2) 2(155.6,-57.4) 2(156.8,-80.2) 2(156.8,-57.4) 2(158,-80.2) 2(158,-57.4) 2(159.2,-80.2) 2(159.2,-57.4)

## Via types
v1: diameter 1, hole 0.5, Top Layer to Bottom Layer, 239 vias
v2: diameter 1, hole 0.5, Top Layer to Bottom Layer, tented both sides, 111 vias

## Nets (pads, with @x,y where several pads share a name; then routed paths per layer and width w, separated by ;. In a path a pad name is that pad's centre, name@x,y a point inside that pad or via, vN(x,y) a via of type N, cw(c..) or ccw(c..) an arc to the next point about the centre after c; other vN are vias at no path point)
3V3_CPU: C7.1 C8.1 C9.1 C10.1 C11.1 C12.1 C13.1 C14.1 C26.1 C27.1 C28.1 C33.1 C34.1 C35.1 C36.1 C43.1 C44.1 C45.1 C51.1 C52.1 L1.1 R2.1 R5.1 R8.2 R9.1 R10.1 R11.1 U1.11 U1.19 U1.28 U1.50 U1.75 U1.100 U3.9 U3.22 U3.23 U8.6 U11.5 U12.4 X10.1 X17.4 | length 411.4
  Top Layer w0.25: 21.075,-55.725 U12.4@21.075,-56.675 21.075,-59.675 25.2,-63.8 32.6,-63.8 35.575,-66.775 U11.5@35.575,-68.45 ; C7.1@50.45,-52.8 50.45,-54.35 50.975,-54.875 55.225,-54.875 56.3,-53.8 56.3,-52.2 57.4,-51.1 U1.11@59.975,-51.1 61.7,-51.1 v2(62.1,-51.5) ; v2(58.4,-62.8) C12.1@60.35,-62.8 60.35,-59.1 61.3,-58.15 61.3,-55.3 61.1,-55.1 U1.19@59.975,-55.1 ; R8.2@59.7,-40.95 59.8,-40.85 61.1,-40.85 ; U1.100@61.8,-44.275 61.8,-43.7 61.1,-43 61.1,-40.85 ; v2(62.8,-58.1) U1.28@62.8,-59.925 62.8,-61.192 62.825,-61.217 62.825,-61.546 63.2,-61.921 63.2,-63.4 64.65,-64.85 65,-64.85 C11.1@65.8,-65.65 ; C13.1@65.4,-40.85 65.2,-40.85 C10.1@62.6,-40.85 61.1,-40.85 ; R2.1@69.65,-86.6 69.65,-83.95 71.1,-82.5 v2(74.9,-82.5) ; U1.50@73.8,-59.925 73.8,-61 76.5,-63.7 C8.1@76.5,-64.25 75.2,-65.55 v2(75.2,-68.1) ; v2(75.9,-43.6) 75.9,-44.4 75.625,-44.675 U1.75@75.625,-46.1 78.05,-46.1 C9.1@78.3,-45.85 ; C51.1@88.15,-34.7 v2@89.9,-34.7 ; v2@89.93,-34.7 C52.1@91.85,-34.7 ; v2@89.93,-34.4 X17.4@89.93,-31.2
  Top Layer w0.4: U11.5@35.575,-68.45 36.65,-68.45 v2(36.9,-68.7) 38.45,-70.25 C45.1@38.45,-70.3 C44.1@38.45,-73.2 C43.1@38.45,-76.1 ; v2(56.9,-67.8) L1.1@56.9,-66.125 ; v2(64.025,-42.067) 64.025,-42.025 C13.1@65.2,-40.85 ; C14.1@74.7,-40.55 75.9,-41.75 v2(75.9,-43.6) ; v2(74.9,-82.5) 75.3,-82.9 R10.1@76.95,-82.9 ; v2(82.9,-85.7) 86.8,-89.6 86.8,-91.2 92.6,-97 X10.1@98.7,-97 ; v2(87.1,-82.9) 92.2,-88 95.7,-88 96.45,-87.25 C27.1@96.45,-85.5 ; v2@89.9,-34.47 v2(89.9,-34.4) ; U8.6@90.18,-54.7 91.73,-56.25 C33.1@96.4,-56.25 C34.1@99.4,-56.25 C36.1@102.3,-56.25 ; U3.23@100.4,-82 98.5,-82 98.2,-81.7 98.2,-80.9 ; U3.22@100.4,-80.9 98.2,-80.9 ; v2(102.9,-54.2) 102.3,-54.8 C36.1@102.3,-56.25 ; v2(102.95,-44.75) R5.1@104.9,-44.75 ; v2(104.9,-28.3) 105.1,-28.1 R11.1@105.1,-26.25 ; v2(105.1,-37.1) R9.1@105.1,-35.25 ; C26.1@115.3,-73.25 113.85,-73.25 113.8,-73.2 ; C27.1@96.45,-85.5 114.5,-85.5 115.6,-84.4 115.6,-78.1 113.8,-76.3 113.8,-73.2 ; C27.1@96.45,-85.5 C28.1@96.45,-83.2 96.45,-81.75 97.3,-80.9 98.2,-80.9 ; C36.1@102.3,-56.25 C35.1@105.2,-56.25 107.65,-56.25 109.4,-58 109.4,-71.6 110.2,-72.4 U3.9@112,-72.4 113.4,-72.4 113.8,-72.8 113.8,-73.2
  Bottom Layer w0.25: 41.6,-68.6 41.7,-68.7 ; v2@58.35,-62.75 v2(58.4,-62.8) ; v2(62.1,-51.5) 62.1,-56 62.9,-56.8 63.7,-56.8 ; 62.8,-60 v2(62.8,-58.1)
  Bottom Layer w0.4: v2(36.9,-68.7) 41.7,-68.7 56.2,-68.7 v2@57,-67.9 ; v2(56.9,-67.8) v2@57,-67.9 ; v2(64.025,-42.067) 64.025,-42.225 66.2,-44.4 72.5,-44.4 73.3,-43.6 v2(75.9,-43.6) 85.1,-34.4 v2(89.9,-34.4) 90,-34.3 104.9,-34.3 ; v2(74.9,-82.5) 74.9,-81.3 75.2,-81 v2(75.2,-68.1) 75.2,-64.3 73.8,-64.3 65.5,-56 64.1,-56 63.7,-56.4 63.7,-56.8 63.7,-59.9 63.8,-60 62.8,-60 61.1,-60 58.35,-62.75 57,-64.1 v2@57,-67.9 ; v2@75.2,-82.5 76.3,-82.5 76.7,-82.9 82.8,-82.9 ; v2(82.9,-85.7) 82.8,-85.6 82.8,-82.9 ; v2(87.1,-82.9) 82.8,-82.9 ; v2(102.9,-54.2) 102.95,-54.15 v2(102.95,-44.75) 102.95,-39.25 v2(105.1,-37.1) 104.9,-36.9 104.9,-34.3 ; v2(104.9,-28.3) 104.9,-34.3
3V3_RS485: C29.1 C30.1 C31.1 C32.1 C54.1 U4.5 U7.3 U16.14 | length 59.6
  Top Layer w0.5: U16.14@25.925,-46.935 27.66,-46.935 27.9,-46.695 ; C32.1@27.85,-50.7 27.9,-50.65 27.9,-46.695 ; U4.5@30.325,-18.4 32,-18.4 ; U7.3@48.325,-12.9 46.7,-12.9 45.1,-14.5 45.1,-16.6 43.3,-18.4 C31.1@39.55,-18.4 C30.1@36.75,-18.4 C29.1@33.95,-18.4 32,-18.4 ; 27.9,-46.695 27.9,-42.659 27.875,-42.634 27.875,-39.075 25.45,-36.65 25.45,-29.25 32,-22.7 32,-18.4
4V2: C24.1 C25.1 C37.1 C41.1 C42.1 L3.2 R28.2 R30.1 U4.1 U4.3 U11.1 U11.3 | length 106.3
  Top Layer w0.5: C25.1@23.525,-17.5 23.9,-17.5 v2(25.75,-19.35) ; C24.1@23.55,-20.5 24.6,-20.5 v2(25.75,-19.35) ; U4.3@27.375,-20.3 26.25,-20.3 25.75,-19.8 v2(25.75,-19.35) ; U4.1@27.375,-18.4 26.7,-18.4 v2(25.75,-19.35) ; R28.2@27.4,-69.75 28.45,-69.75 29.2,-70.5 32.475,-70.5 U11.3@32.625,-70.35 33.75,-70.35 34,-70.1 34,-68.9 33.55,-68.45 U11.1@32.625,-68.45 32.625,-65.675 v2(32.7,-65.6)
  Top Layer w0.8: C37.1@18.5,-78.5 L3.2@23.525,-78.5 ; R30.1@23.7,-87.55 23.7,-78.675 L3.2@23.525,-78.5 ; R28.2@27.4,-69.75 27.3,-69.65 C42.1@24.7,-69.65 C41.1@21.9,-69.65 21.9,-71.4 23.525,-73.025 L3.2@23.525,-78.5
  Bottom Layer w0.5: v2(25.75,-19.35) 25.75,-22.05 28.8,-25.1 32.4,-25.1 36.5,-29.2 36.5,-61.8 v2(32.7,-65.6)
12V: C38.1 C53.1 R32.2 U10.8 X5.1 | length 59.5
  Top Layer w0.5: U10.8@30.005,-93.025 31.375,-93.025 32.3,-92.1 C53.1@33.25,-92.1
  Top Layer w0.8: X5.1@6.2,-88.3 7.1,-89.2 7.1,-93 8,-93.9 13.1,-93.9 ; R32.2@14.6,-77.15 14.6,-80 15,-80.4 15,-90.5 13.74,-91.76 13.74,-92.377 13.8,-92.437 13.8,-93.2 13.1,-93.9 ; C53.1@33.25,-92.1 33.25,-96.15 C38.1@32.9,-96.5 31.5,-96.5 30,-98 17.2,-98 13.1,-93.9
ANT868: U7.1 X7.5 | length 9.9
  Top Layer w0.9: X7.5@38.475,-7.875 38.5,-7.9 U7.1@48.325,-7.9
CPU_BOOT0: R4.2 U1.94 X1.2 X1.4 | length 57.1
  Top Layer w0.25: v2(64.6,-82.7) 64.6,-83.3 66.05,-84.75 R4.2@66.05,-86.7 66.05,-89.53 X1.2@66.52,-90 X1.4@66.52,-97.62 ; v2(64.7,-57.5) 64.8,-57.5 65.2,-57.1 65.2,-46.907 64.8,-46.507 U1.94@64.8,-44.275
  Bottom Layer w0.25: v2(64.6,-82.7) 64.6,-82.3 67.725,-79.175 67.725,-77.117 65.8,-75.192 65.8,-65 64.7,-63.9 v2(64.7,-57.5)
CPU_BOOT1: R17.2 U1.37 | length 6.3
  Top Layer w0.25: U1.37@67.3,-59.925 67.3,-60.9 69.275,-62.875 69.275,-63.283 69.817,-63.825 70.225,-63.825 70.4,-64 R17.2@70.4,-64.75
CPU_JTCK/SWCLK: U1.76 X10.2 | length 71.9
  Top Layer w0.25: v2(70.6,-47.6) 71.7,-46.5 72.193,-46.5 73.343,-45.35 73.476,-45.35 73.725,-45.101 73.725,-44.275 U1.76@73.8,-44.275 ; v2(79.7,-70.3) 79.7,-80.1 93.9,-94.3 99.7,-94.3 101.24,-95.84 X10.2@101.24,-97
  Bottom Layer w0.25: v2(70.6,-47.6) 69.1,-49.1 69.1,-56.6 76.7,-64.2 76.7,-66.4 79.8,-69.5 79.8,-70.2 v2(79.7,-70.3)
CPU_JTDI: U1.77
CPU_JTDO: U1.89 X10.6 | length 77.8
  Top Layer w0.25: U1.89@67.3,-44.275 67.3,-45.8 73.5,-52 v2(73.5,-54.1) ; v2(84.4,-73) 84.4,-81.7 94.8,-92.1 106.5,-92.1 X10.6@111.4,-97
  Bottom Layer w0.25: v2(73.5,-54.1) 84.4,-65 v2(84.4,-73)
CPU_JTMS/SWDAT: U1.72 X10.4 | length 74.1
  Top Layer w0.25: v2(73.1,-48.6) 73.813,-48.6 74.813,-47.6 U1.72@75.625,-47.6 ; v2(80.7,-67.3) 80.7,-79.3 94.2,-92.8 103.8,-92.8 106.32,-95.32 X10.4@106.32,-97
  Bottom Layer w0.25: v2(73.1,-48.6) 71.9,-48.6 69.9,-50.6 69.9,-56.5 v2(80.7,-67.3)
CPU_NJRST: U1.90